# Altium PCB BSPD_mod_0513.PcbDoc (continued)
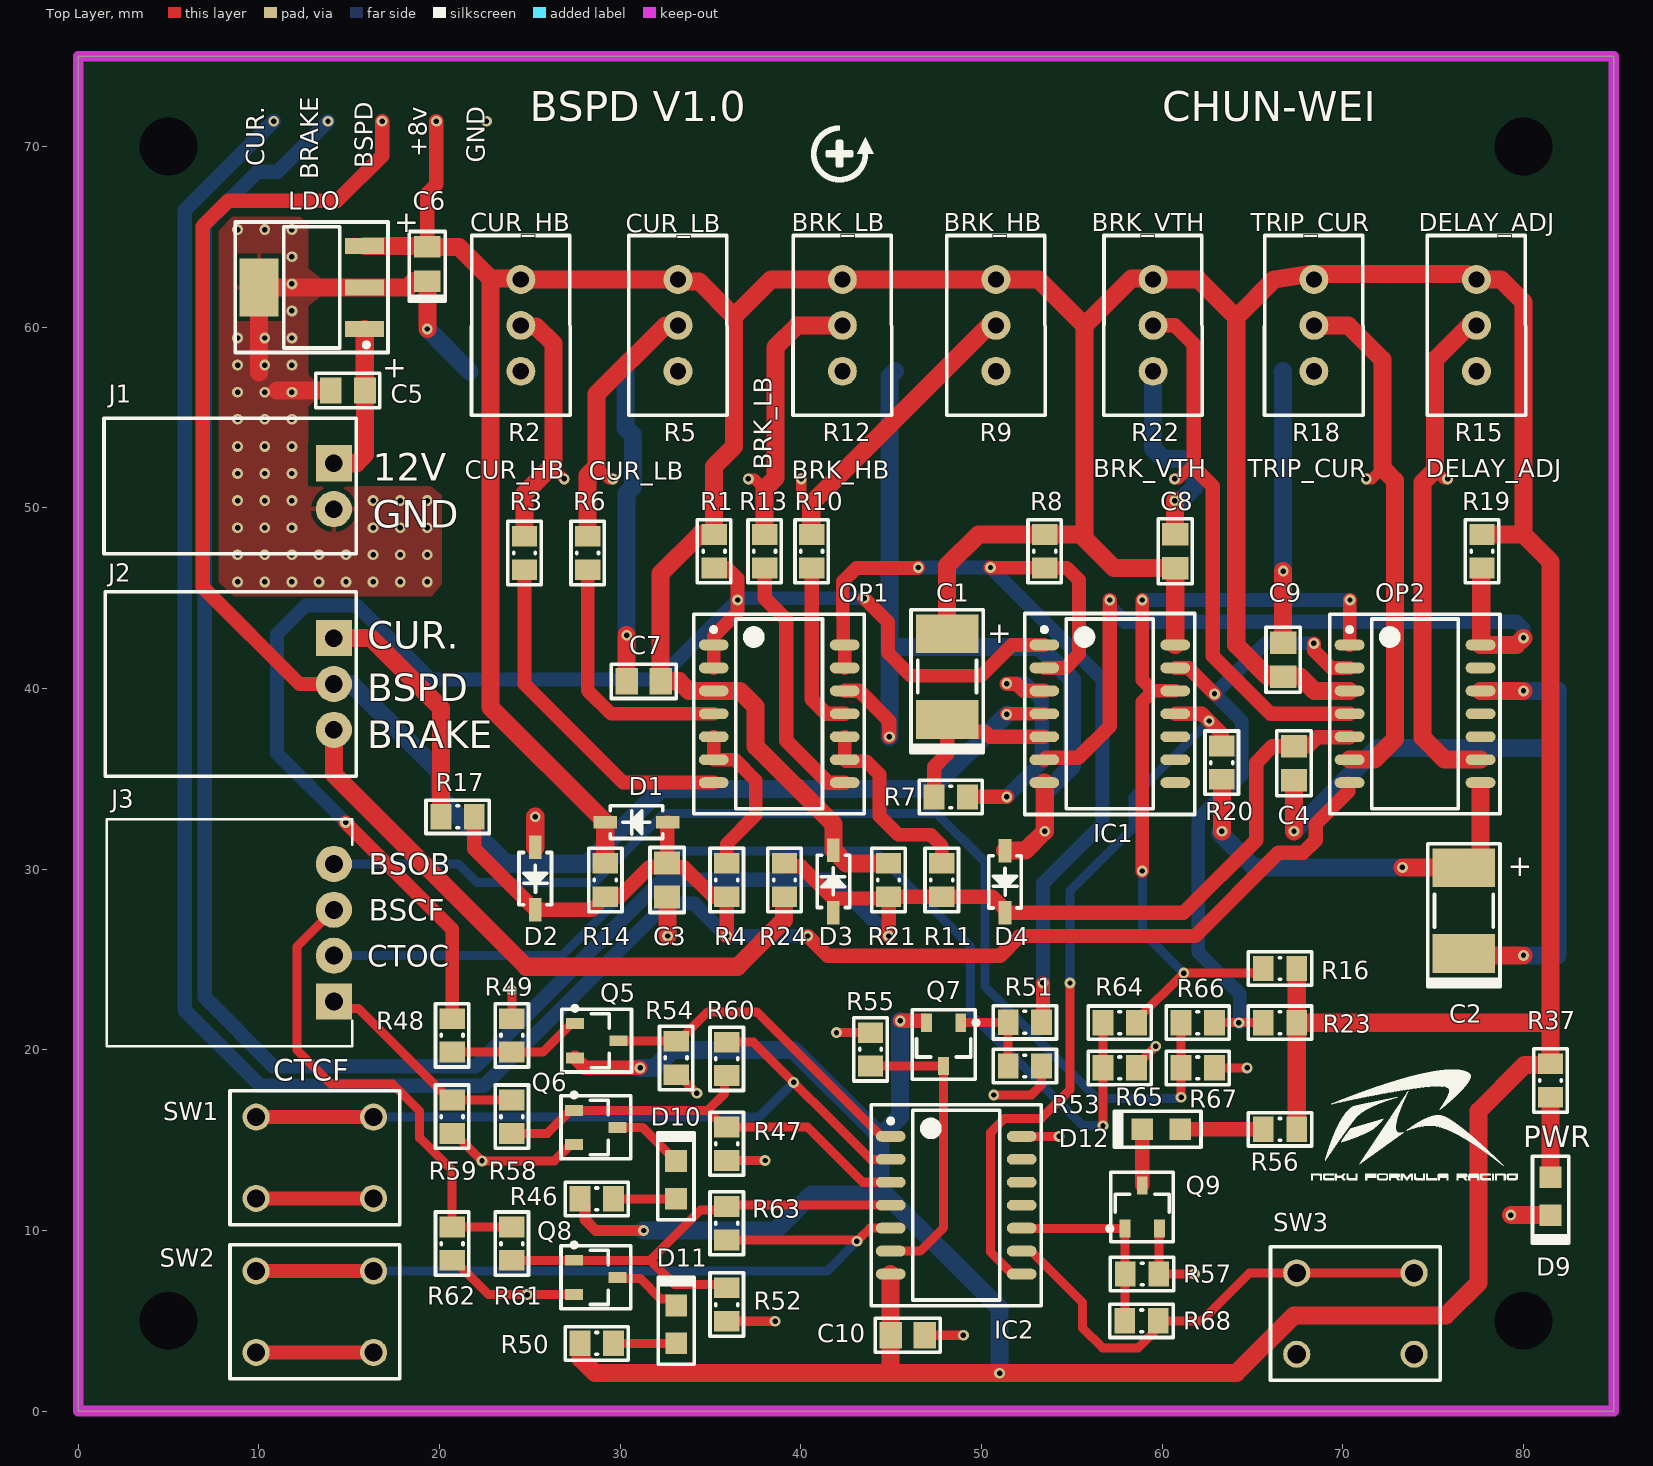
[diagram p0: Top Layer view]
## Part data (continued)
IC2: library part CD4081BM, "In a Tube of 50, Texas Instruments CD4081BM, Quad 2-Input AND Logic Gate, 14-Pin SOIC", Manufacturer=Harris, Manufacturer Part Number=CD4071BM, Supplier Part Number 1=595-CD4071BM, Pricing 1="1 = 0.49000, 10 = 0.39200, 100 = 0.31400, 250 = 0.31400, 500 = 0.24700, 1000 = 0.19100 (USD)", RoHS=No, Stock 1=2308, Supplier 1=Mouser
J1: library part header-5-103635-1, "Conn Shrouded Header (4 Sides) HDR 2 POS 2.54mm Solder RA Thru-Hole Box/Tube", Color=Black, Contact Current Rating=3A, Contact Resistance=15mR, Flammability Rating="UL94 V-0", Insulation Resistance=5GR, Manufacturer="TE Connectivity", Manufacturer Part Number=5-103635-1, Max Operating Temperature=105°C, Min Operating Temperature=-65°C, Package Quantity=70, Supplier Part Number 1=571-5-103635-1, Approvals=CSA, Backwall/Post Interruptions="No (Without)", ComponentLink1Description=https://datasheet.ciiva.com/16318/eng-ds-4-1773458-0-ampmodu-mte-interconnect-sys-0411-16318801.pdf?src-supplier=Future+Electronics, ComponentLink1URL=https://datasheet.ciiva.com/16318/eng-ds-4-1773458-0-ampmodu-mte-interconnect-sys-0411-16318801.pdf?src-supplier=Future+Electronics, ComponentLink2Description=https://datasheet.ciiva.com/19462/752780-19462242.pdf?src-supplier=Jameco, ComponentLink2URL=https://datasheet.ciiva.com/19462/752780-19462242.pdf?src-supplier=Jameco, ComponentLink3Description=https://datasheet.ciiva.com/30493/0900766b80f9a68a-30493082.pdf?src-supplier=RSComponents, ComponentLink3URL=https://datasheet.ciiva.com/30493/0900766b80f9a68a-30493082.pdf?src-supplier=RSComponents, ComponentLink4Description=https://datasheet.ciiva.com/6045/1480701-6045513.pdf?src-supplier=Farnell, ComponentLink4URL=https://datasheet.ciiva.com/6045/1480701-6045513.pdf?src-supplier=Farnell, ComponentLink5Description=https://datasheet.ciiva.com/16657/eng-cs-1307819-section-5-cont-0808-16657957.pdf?src-supplier=Avnet+Europe, ComponentLink5URL=https://datasheet.ciiva.com/16657/eng-cs-1307819-section-5-cont-0808-16657957.pdf?src-supplier=Avnet+Europe, ComponentLink6Description=https://datasheet.ciiva.com/709/eng-cd-103635-s2-709865.pdf?src-supplier=Digi-Key, ComponentLink6URL=https://datasheet.ciiva.com/709/eng-cd-103635-s2-709865.pdf?src-supplier=Digi-Key, ComponentLink7Description=https://datasheet.ciiva.com/14641/70086824-14641690.pdf?src-supplier=Allied+Electronics, ComponentLink7URL=https://datasheet.ciiva.com/14641/70086824-14641690.pdf?src-supplier=Allied+Electronics, ComponentLink8Description=http://datasheet.octopart.com/5-103635-1-TE-Connectivity-datasheet-11077636.pdf?src-supplier=Newark, ComponentLink8URL=http://datasheet.octopart.com/5-103635-1-TE-Connectivity-datasheet-11077636.pdf?src-supplier=Newark, ComponentLink9Description=http://datasheet.octopart.com/5-103635-1-TE-Connectivity-datasheet-136861139.pdf?src-supplier=ShanghaiCT, ComponentLink9URL=http://datasheet.octopart.com/5-103635-1-TE-Connectivity-datasheet-136861139.pdf?src-supplier=ShanghaiCT, ComponentLink10Description=http://datasheet.octopart.com/5-103635-1-TE-Connectivity-datasheet-8324834.pdf?src-supplier=Master+Electronics, ComponentLink10URL=http://datasheet.octopart.com/5-103635-1-TE-Connectivity-datasheet-8324834.pdf?src-supplier=Master+Electronics, ComponentLink11Description=http://sigma.octopart.com/15108146/technical_drawing/TE-Connectivity-5-103635-1.pdf?src-supplier=TE+Connectivity, ComponentLink11URL=http://sigma.octopart.com/15108146/technical_drawing/TE-Connectivity-5-103635-1.pdf?src-supplier=TE+Connectivity, ComponentLink12Description=http://sigma.octopart.com/101748647/technical_drawing/TE-Connectivity-5-103635-1.pdf?src-supplier=ShanghaiCT, ComponentLink12URL=http://sigma.octopart.com/101748647/technical_drawing/TE-Connectivity-5-103635-1.pdf?src-supplier=ShanghaiCT, ComponentLink13Description=http://datasheet.octopart.com/5-103635-1-Tyco-Electronics-datasheet-13560061.pdf?src-supplier=TE+Connectivity, ComponentLink13URL=http://datasheet.octopart.com/5-103635-1-Tyco-Electronics-datasheet-13560061.pdf?src-supplier=TE+Connectivity, ComponentLink14Description=http://sigma.octopart.com/67302833/technical_drawing/TE-Connectivity-5-103635-1.pdf?src-supplier=TE+Connectivity, ComponentLink14URL=http://sigma.octopart.com/67302833/technical_drawing/TE-Connectivity-5-103635-1.pdf?src-supplier=TE+Connectivity, ComponentLink15Description=http://datasheet.octopart.com/5-103635-1-Tyco-Electronics-datasheet-8817613.pdf?src-supplier=Sager+Electronics, ComponentLink15URL=http://datasheet.octopart.com/5-103635-1-Tyco-Electronics-datasheet-8817613.pdf?src-supplier=Sager+Electronics, ComponentLink16Description=http://datasheet.octopart.com/5-103635-1-TE-Connectivity---AMP-datasheet-27832635.pdf?src-supplier=Farnell, ComponentLink16URL=http://datasheet.octopart.com/5-103635-1-TE-Connectivity---AMP-datasheet-27832635.pdf?src-supplier=Farnell, ComponentLink17Description=http://datasheet.octopart.com/5-103635-1-TE-Connectivity-datasheet-22147912.pdf?src-supplier=Allied+Electronics, ComponentLink17URL=http://datasheet.octopart.com/5-103635-1-TE-Connectivity-datasheet-22147912.pdf?src-supplier=Allied+Electronics, ComponentLink18Description=http://datasheet.octopart.com/5-103635-1-TE-Connectivity-datasheet-8318492.pdf?src-supplier=Jameco, ComponentLink18URL=http://datasheet.octopart.com/5-103635-1-TE-Connectivity-datasheet-8318492.pdf?src-supplier=Jameco, ComponentLink19Description=http://datasheet.octopart.com/5-103635-1-Tyco-Electronics-datasheet-508243.pdf?src-supplier=Future+Electronics, ComponentLink19URL=http://datasheet.octopart.com/5-103635-1-Tyco-Electronics-datasheet-508243.pdf?src-supplier=Future+Electronics, ComponentLink20Description=http://datasheet.octopart.com/5-103635-1-Tyco-Electronics-datasheet-8817976.pdf?src-supplier=Farnell, ComponentLink20URL=http://datasheet.octopart.com/5-103635-1-Tyco-Electronics-datasheet-8817976.pdf?src-supplier=Farnell, ComponentLink21Description=http://datasheet.octopart.com/5-103635-1-Tyco-Electronics-datasheet-9876728.pdf?src-supplier=Allied+Electronics, ComponentLink21URL=http://datasheet.octopart.com/5-103635-1-Tyco-Electronics-datasheet-9876728.pdf?src-supplier=Allied+Electronics, ComponentLink22Description=http://datasheet.octopart.com/5-103635-1-Tyco-Electronics-datasheet-13560509.pdf?src-supplier=Farnell, ComponentLink22URL=http://datasheet.octopart.com/5-103635-1-Tyco-Electronics-datasheet-13560509.pdf?src-supplier=Farnell, Connector Type=Plug, Contact Gender=Male, Contact Material=Brass, Contact Mating Length=0.23inch, Contact Plating=Gold, Contact Retention="Yes (With)", Contact Shape=Square, Current Rating=3A, Depth=13.59mm, Height=13.59mm, Housing Color=Black, Housing Material=Thermoplastic, Lead Pitch=2.54mm, Length=7.62mm, Mating Alignment="Yes (With)", Mating Retention="Yes (With)", Mount="Through Hole", Number of Contacts=2, Number of Positions=2, Number of Rows=1, Orientation="Right Angle", Packaging=Rail/Tube, PCB Mount Alignment="No (Without)", Pitch=2.54mm, Plating Thickness=2.54um, Pricing 1="1 = 0.82000, 10 = 0.68600, 100 = 0.60100, 500 = 0.53300, 1000 = 0.49000, 2500 = 0.43900, 10000 = 0.41200, 25000 = 0.39200 (USD)", REACH SVHC="No SVHC", Row Spacing=0.1inch, Stock 1=6279, Strain Relief="No (Without)", Supplier 1=Mouser, Tail Length=3.3mm, Termination=Crimp
J2: library part header-5-103635-2, "Conn Shrouded Header (4 Sides) HDR 3 POS 2.54mm Solder RA Thru-Hole Box/Tube", Color=Black, Contact Current Rating=3A, Contact Resistance=15mR, Flammability Rating="UL94 V-0", Insulation Resistance=5GR, Manufacturer="TE Connectivity", Manufacturer Part Number=5-103635-2, Max Operating Temperature=105°C, Min Operating Temperature=-65°C, Package Quantity=52, Supplier Part Number 1=571-5-103635-2, Approvals=CSA, Backwall/Post Interruptions="No (Without)", ComponentLink1Description=https://datasheet.ciiva.com/30493/0900766b80f9a68b-30493124.pdf?src-supplier=RSComponents, ComponentLink1URL=https://datasheet.ciiva.com/30493/0900766b80f9a68b-30493124.pdf?src-supplier=RSComponents, ComponentLink2Description=https://datasheet.ciiva.com/19461/752798-19461418.pdf?src-supplier=Jameco, ComponentLink2URL=https://datasheet.ciiva.com/19461/752798-19461418.pdf?src-supplier=Jameco, ComponentLink3Description=https://datasheet.ciiva.com/30057/eng-cs-1307819-section-5-cont-0808-30057509.pdf?src-supplier=Onlinecomponents.com, ComponentLink3URL=https://datasheet.ciiva.com/30057/eng-cs-1307819-section-5-cont-0808-30057509.pdf?src-supplier=Onlinecomponents.com, ComponentLink4Description=https://datasheet.ciiva.com/16684/eng-cs-1307819-section-5-cont-0808-16684822.pdf?src-supplier=Avnet+Europe, ComponentLink4URL=https://datasheet.ciiva.com/16684/eng-cs-1307819-section-5-cont-0808-16684822.pdf?src-supplier=Avnet+Europe, ComponentLink5Description=https://datasheet.ciiva.com/46442/1829811-46442918.pdf?src-supplier=Element14, ComponentLink5URL=https://datasheet.ciiva.com/46442/1829811-46442918.pdf?src-supplier=Element14, ComponentLink6Description=https://datasheet.ciiva.com/710/eng-cd-103635-s2-710040.pdf?src-supplier=Digi-Key, ComponentLink6URL=https://datasheet.ciiva.com/710/eng-cd-103635-s2-710040.pdf?src-supplier=Digi-Key, ComponentLink7Description=https://datasheet.ciiva.com/3118/eng-cs-1307819-section-5-cont-0808-3118264.pdf?src-supplier=Avnet, ComponentLink7URL=https://datasheet.ciiva.com/3118/eng-cs-1307819-section-5-cont-0808-3118264.pdf?src-supplier=Avnet, ComponentLink8Description=https://datasheet.ciiva.com/6005/eng-cd-103635-s2-6005515.pdf?src-supplier=Farnell, ComponentLink8URL=https://datasheet.ciiva.com/6005/eng-cd-103635-s2-6005515.pdf?src-supplier=Farnell, ComponentLink9Description=https://datasheet.ciiva.com/7703/1650927-7703291.pdf?src-supplier=Element14, ComponentLink9URL=https://datasheet.ciiva.com/7703/1650927-7703291.pdf?src-supplier=Element14, ComponentLink10Description=https://datasheet.ciiva.com/16375/eng-ds-4-1773458-0-ampmodu-mte-interconnect-sys-0411-16375323.pdf?src-supplier=Future+Electronics, ComponentLink10URL=https://datasheet.ciiva.com/16375/eng-ds-4-1773458-0-ampmodu-mte-interconnect-sys-0411-16375323.pdf?src-supplier=Future+Electronics, ComponentLink11Description=http://datasheet.octopart.com/5-103635-2-TE-Connectivity-datasheet-11077636.pdf?src-supplier=Newark, ComponentLink11URL=http://datasheet.octopart.com/5-103635-2-TE-Connectivity-datasheet-11077636.pdf?src-supplier=Newark, ComponentLink12Description=http://datasheet.octopart.com/5-103635-2-TE-Connectivity-datasheet-136861139.pdf?src-supplier=ShanghaiCT, ComponentLink12URL=http://datasheet.octopart.com/5-103635-2-TE-Connectivity-datasheet-136861139.pdf?src-supplier=ShanghaiCT, ComponentLink13Description=http://datasheet.octopart.com/5-103635-2-TE-Connectivity-datasheet-8324834.pdf?src-supplier=Element14, ComponentLink13URL=http://datasheet.octopart.com/5-103635-2-TE-Connectivity-datasheet-8324834.pdf?src-supplier=Element14, ComponentLink14Description=http://sigma.octopart.com/15108146/technical_drawing/TE-Connectivity-5-103635-2.pdf?src-supplier=TE+Connectivity, ComponentLink14URL=http://sigma.octopart.com/15108146/technical_drawing/TE-Connectivity-5-103635-2.pdf?src-supplier=TE+Connectivity, ComponentLink15Description=http://sigma.octopart.com/101748647/technical_drawing/TE-Connectivity-5-103635-2.pdf?src-supplier=Future+Electronics, ComponentLink15URL=http://sigma.octopart.com/101748647/technical_drawing/TE-Connectivity-5-103635-2.pdf?src-supplier=Future+Electronics, ComponentLink16Description=http://datasheet.octopart.com/5-103635-2-Agastat-datasheet-13560061.pdf?src-supplier=Element14, ComponentLink16URL=http://datasheet.octopart.com/5-103635-2-Agastat-datasheet-13560061.pdf?src-supplier=Element14, ComponentLink17Description=http://sigma.octopart.com/67302833/technical_drawing/TE-Connectivity-5-103635-2.pdf?src-supplier=TE+Connectivity, ComponentLink17URL=http://sigma.octopart.com/67302833/technical_drawing/TE-Connectivity-5-103635-2.pdf?src-supplier=TE+Connectivity, ComponentLink18Description=http://datasheet.octopart.com/5-103635-2-TE-Connectivity---AMP-datasheet-27832635.pdf?src-supplier=Farnell, ComponentLink18URL=http://datasheet.octopart.com/5-103635-2-TE-Connectivity---AMP-datasheet-27832635.pdf?src-supplier=Farnell, ComponentLink19Description=http://datasheet.octopart.com/5-103635-2-TE-Connectivity-datasheet-9784454.pdf?src-supplier=Allied+Electronics, ComponentLink19URL=http://datasheet.octopart.com/5-103635-2-TE-Connectivity-datasheet-9784454.pdf?src-supplier=Allied+Electronics, ComponentLink20Description=http://datasheet.octopart.com/5-103635-2-TE-Connectivity-datasheet-7579224.pdf?src-supplier=Jameco, ComponentLink20URL=http://datasheet.octopart.com/5-103635-2-TE-Connectivity-datasheet-7579224.pdf?src-supplier=Jameco, ComponentLink21Description=http://datasheet.octopart.com/5-103635-2-Tyco-Electronics-datasheet-8817976.pdf?src-supplier=Farnell, ComponentLink21URL=http://datasheet.octopart.com/5-103635-2-Tyco-Electronics-datasheet-8817976.pdf?src-supplier=Farnell, ComponentLink22Description=http://datasheet.octopart.com/5-103635-2-Tyco-Electronics-datasheet-508243.pdf?src-supplier=Farnell, ComponentLink22URL=http://datasheet.octopart.com/5-103635-2-Tyco-Electronics-datasheet-508243.pdf?src-supplier=Farnell, ComponentLink23Description=http://datasheet.octopart.com/5-103635-2-Tyco-Electronics-datasheet-529336.pdf?src-supplier=Farnell, ComponentLink23URL=http://datasheet.octopart.com/5-103635-2-Tyco-Electronics-datasheet-529336.pdf?src-supplier=Farnell, ComponentLink24Description=http://datasheet.octopart.com/5-103635-2-Tyco-Electronics-datasheet-5313028.pdf?src-supplier=Farnell, ComponentLink24URL=http://datasheet.octopart.com/5-103635-2-Tyco-Electronics-datasheet-5313028.pdf?src-supplier=Farnell, ComponentLink25Description=http://datasheet.octopart.com/5-103635-2-Tyco-Electronics-datasheet-5314212.pdf?src-supplier=Farnell, ComponentLink25URL=http://datasheet.octopart.com/5-103635-2-Tyco-Electronics-datasheet-5314212.pdf?src-supplier=Farnell, ComponentLink26Description=http://datasheet.octopart.com/5-103635-2-Tyco-Electronics-datasheet-5388268.pdf?src-supplier=Farnell, ComponentLink26URL=http://datasheet.octopart.com/5-103635-2-Tyco-Electronics-datasheet-5388268.pdf?src-supplier=Farnell, ComponentLink27Description=http://datasheet.octopart.com/5-103635-2-Tyco-Electronics-datasheet-5398832.pdf?src-supplier=Farnell, ComponentLink27URL=http://datasheet.octopart.com/5-103635-2-Tyco-Electronics-datasheet-5398832.pdf?src-supplier=Farnell, ComponentLink28Description=http://datasheet.octopart.com/5-103635-2-Tyco-Electronics-datasheet-5403185.pdf?src-supplier=Farnell, ComponentLink28URL=http://datasheet.octopart.com/5-103635-2-Tyco-Electronics-datasheet-5403185.pdf?src-supplier=Farnell, ComponentLink29Description=http://datasheet.octopart.com/5-103635-2-Tyco-Electronics-datasheet-5458970.pdf?src-supplier=Farnell, ComponentLink29URL=http://datasheet.octopart.com/5-103635-2-Tyco-Electronics-datasheet-5458970.pdf?src-supplier=Farnell, ComponentLink30Description=http://datasheet.octopart.com/5-103635-2-Tyco-Electronics-datasheet-13560510.pdf?src-supplier=Farnell, ComponentLink30URL=http://datasheet.octopart.com/5-103635-2-Tyco-Electronics-datasheet-13560510.pdf?src-supplier=Farnell, ComponentLink31Description=http://datasheet.octopart.com/5-103635-2-TE-Connectivity---AMP-datasheet-8817613.pdf?src-supplier=Sager+Electronics, ComponentLink31URL=http://datasheet.octopart.com/5-103635-2-TE-Connectivity---AMP-datasheet-8817613.pdf?src-supplier=Sager+Electronics, Connector Type=Plug, Contact Gender=Male, Contact Material=Brass, Contact Mating Length=0.23inch, Contact Plating=Gold, Contact Retention="Yes (With)", Contact Shape=Square, Current Rating=3A, Depth=13.59mm, Height=13.59mm, Housing Color=Black, Housing Material=Thermoplastic, Lead Pitch=2.54mm, Length=0.4inch, Mating Alignment="Yes (With)", Mating Retention="Yes (With)", Mount="Through Hole", Number of Contacts=3, Number of Positions=3, Number of Rows=1, Orientation="Right Angle", Packaging=Rail/Tube, PCB Mount Alignment="No (Without)", PCB Mounting Orientation="Right Angle", PCB Mount Retention=Without, Pitch=2.54mm, Plating Thickness=2.54um, Pricing 1="1 = 1.32000, 10 = 1.10000, 100 = 0.96700, 500 = 0.85900, 1000 = 0.76400, 2500 = 0.73500 (USD)", REACH SVHC="No SVHC", Row Spacing=0.1inch, Stock 1=3096, Strain Relief="No (Without)", Supplier 1=Mouser, Tail Length=3.3mm, Termination=Crimp, Width=0.4inch